# Allegro board DuoModule 01 Evaluation Board V1.1.brd
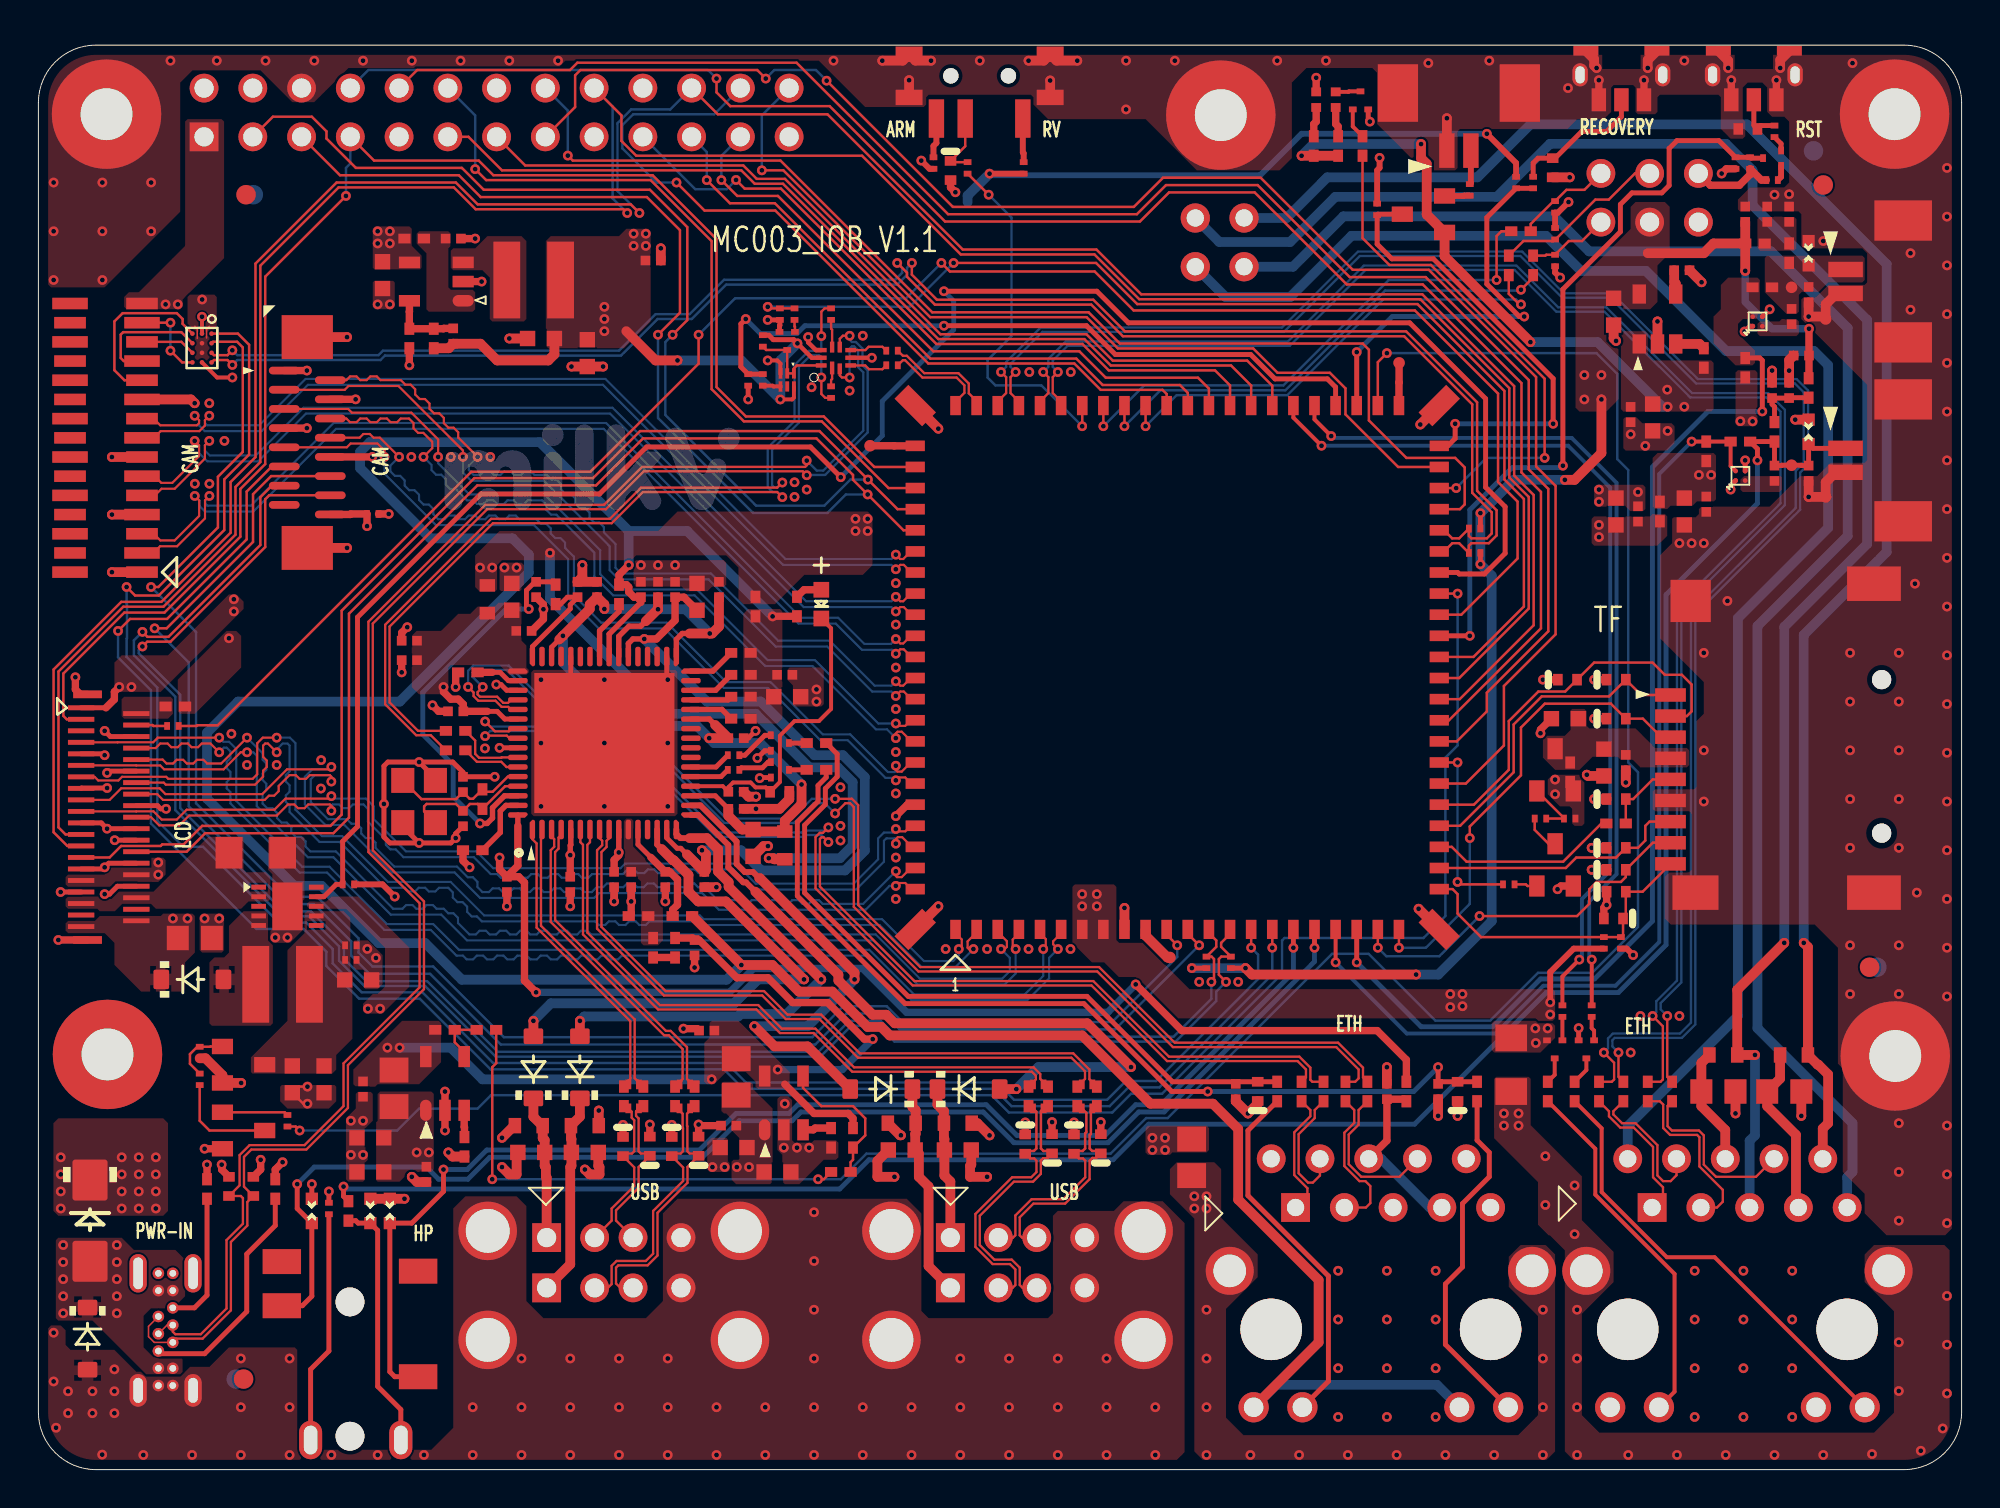
[diagram p0: board, top side]
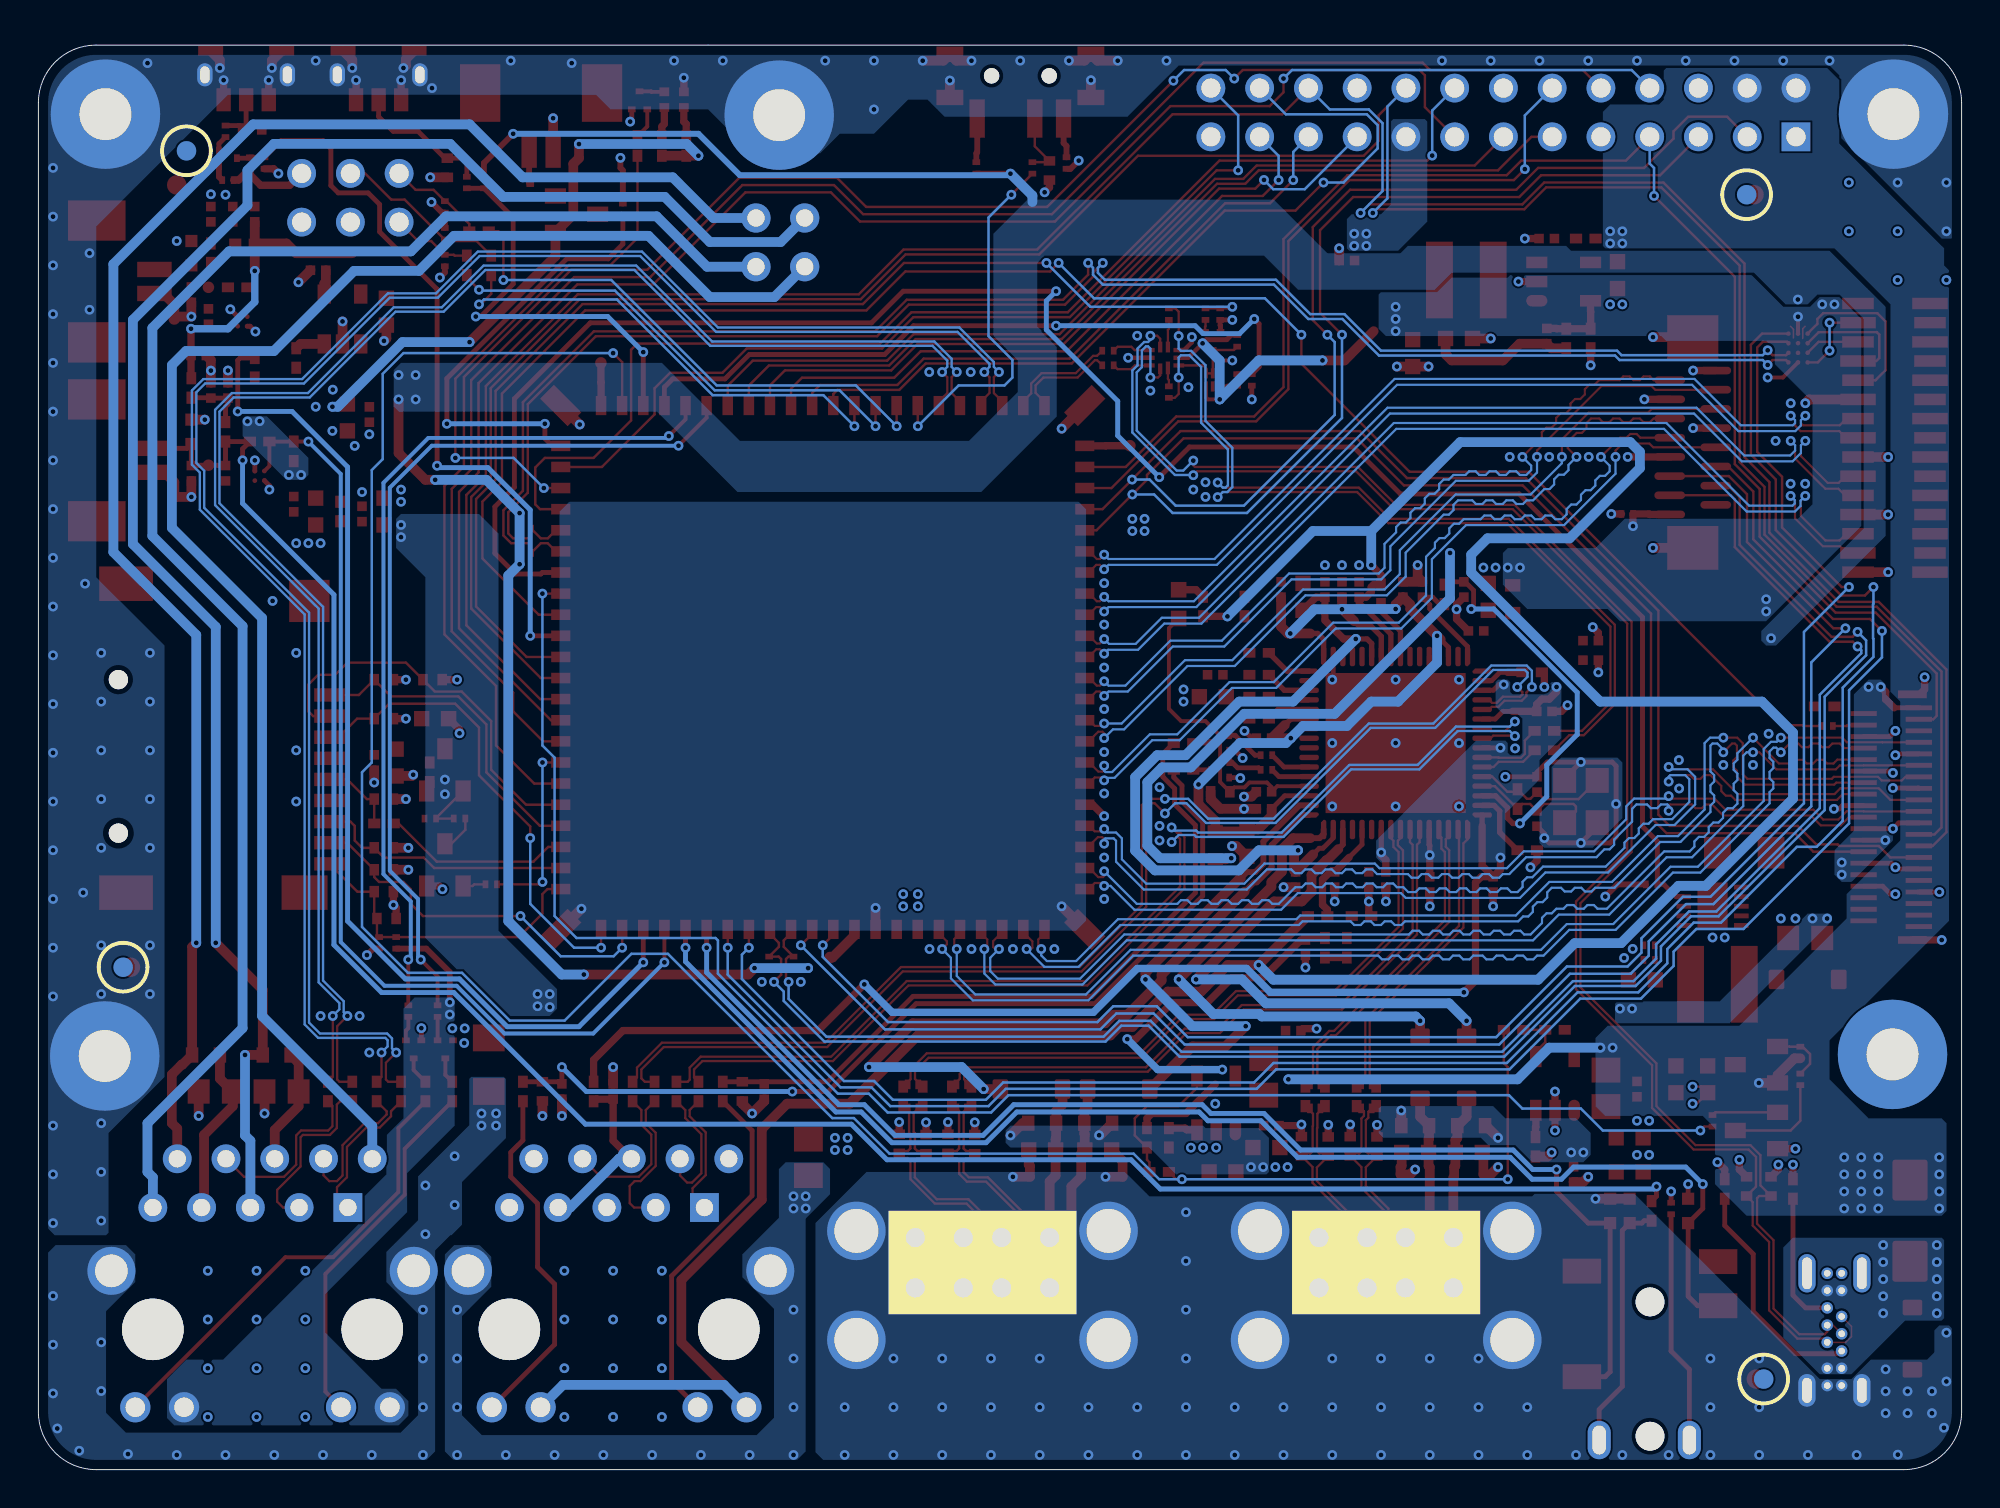
[diagram p1: board, bottom side, seen from below]

Outline 100.19 x 74.24 mm; copper layers: TOP, GND2, GND3, BOTTOM. Coordinates in mm from the lower left corner of the outline.
Outline path: 0,71.24 arc(0.88,73.36) 3,74.24 97.19,74.24 arc(99.32,73.36) 100.19,71.24 100.19,3 arc(99.32,0.88) 97.19,0 3,0 arc(0.88,0.88) 0,3 0,71.24

## Design rules (mm)
net group DIFFPAIR14: nets I2C3_SENSOR0_SCL I2C3_SENSOR0_SDA
net group DIFFPAIR17: nets I2C_SENSOR1_SCL I2C_SENSOR1_SDA
net group DIFFPAIR23: nets N18580772 N18580790
net group DIFFPAIR24: nets N18580640 N18580688
net group DIFFPAIR25: nets N18346099 N18346185
net group MIPI0_D0: nets MIPI0_DN0 MIPI0_DP0
net group MIPI0_D1: nets MIPI0_DN1 MIPI0_DP1
net group MIPI0_D2: nets MIPI0_DN2 MIPI0_DP2
net group MIPI0_D3: nets MIPI0_DN3 MIPI0_DP3
net group MIPI0_D4: nets MIPI0_DN4 MIPI0_DP4
net group MIPI0_D5: nets MIPI0_DN5 MIPI0_DP5
net group MIPI_TX_0: nets MIPI_TX_0N MIPI_TX_0P
net group MIPI_TX_1: nets MIPI_TX_1N MIPI_TX_1P
net group MIPI_TX_2: nets MIPI_TX_2N MIPI_TX_2P
net group MIPI_TX_3: nets MIPI_TX_3N MIPI_TX_3P
net group MIPI_TX_4: nets MIPI_TX_4N MIPI_TX_4P
net group SMD: nets SD_SD0_CLK SD_SD0_CMD
net group 12C: nets I2C_SENSOR1_SCL_3V3 I2C_SENSOR1_SDA_3V3 UART0_RX UART0_TX XGPIOB_20/I2C4_SCL XGPIOB_21/I2C4_SDA
net group 20-20: nets VA+ VA- VB+ VB-
net group CLK: nets PWM0_BUCK SENSOR_CLK0 SENSOR_CLK1 SENSOR_CLK1_3V3 XGPIOB_15/SPI3_SCK
net group PHY: nets EPHY_RXN EPHY_RXP EPHY_TXN EPHY_TXP PHY_RXN PHY_RXP PHY_TXN PHY_TXP RXN RXN_18047105 RXP RXP_18047105 TXN TXN_18047105 TXP TXP_18047105
net group RST: nets LCD_RST SENSOR_RSTN0 SENSOR_RSTN1 SENSOR_RSTN_3V3
net group USB2.0: nets N18061020 N18061046 N18346013 N18346061 N18586338 N18586356 N18586378 N18586396 USB_DM USB_DP USB_HOST2_DM USB_HOST2_DP USB_HOST3_DM USB_HOST3_DP USB_HOST4_DM USB_HOST4_DP USB_HOST5_DM USB_HOST5_DP USBDEV_DM USBDEV_DP USBHOST_DM USBHOST_DP

## Placement (name value [footprint] x y rotation side)
C1  100NF 16V  [C0402]  25.93 45.87 270 top
C2  100NF 16V  [C0402]  28.09 45.87 90 top
C3  10uF  [C0603]  39.01 40.28 0 top
C4  100NF 16V  [C0402]  38.88 41.42 0 top
C5  100NF 16V  [C0402]  31.39 45.87 90 top
C6  100NF 16V  [C0402]  35.45 45.87 90 top
C7  100NF 16V  [C0402]  36.34 34.44 0 top
C8  100NF 16V  [C0402]  36.34 38.12 0 top
C9  100NF 16V  [C0402]  34.18 27.2 270 top
C10  10UF 10V  [C0603]  37.23 32.66 270 top
C11  100NF 16V  [C0402]  32.28 45.87 90 top
C12  100NF 16V  [C0402]  29.1 45.87 90 top
C13  10UF 10V  [C0603]  24.66 45.49 90 top
C14  100NF 16V  [C0402]  19.33 42.18 180 top
C15  100NF 16V  [C0402]  29.99 30.75 270 top
C16  100NF 16V  [C0402]  24.41 30.5 270 top
C17  100NF 16V  [C0402]  27.71 30.5 270 top
C18  100NF 16V  [C0402]  25.29 43.71 0 top
C19  100NF 16V  [C0402]  19.33 43.2 180 top
C20  100NF 16V  [C0402]  21.74 39.52 180 top
C21  100NF 16V  [C0402]  30.88 30.75 270 top
C22  1NF  [C0402]  36.34 35.33 0 top
C23  4.7UF 10V  [C0603]  34.31 45.49 90 top
C24  100NF 16V  [C0402]  34.69 30.75 270 top
C25  100NF 16V  [C0402]  33.17 45.87 90 top
C26  10nF  [C0402]  32.66 30.75 270 top
C27  8.2pF  [C0402]  22.12 35.71 90 top
C28  8.2pF  [C0402]  22.12 33.93 270 top
C29  1NF  [C0402]  62.38 19.7 270 top
C34  1NF  [C0402]  72.92 19.7 270 top
C35  220NF  [C0402]  70.25 19.7 90 top
C36  22uF  [C0603]  47.9 16.66 0 top
C37  22uF  [C0603]  25.68 16.53 180 top
C38  22uF  [C0603]  28.47 16.53 0 top
C39  22uF  [C0603]  44.98 16.66 180 top
C40  10uF/6.3V  [C0603]  81.56 36.85 270 top
C41  10uF  [C0603]  79.52 39.14 180 top
C42  100nF  [C0402]  82.7 36.85 270 top
C43  100nF  [C0201]  16.28 27.32 0 top
C44  10uF/10V  [C0603]  16.66 25.52 0 top
C45  4.7uF/10V  [C0603]  13.23 20.34 270 top
C46  100nF  [C0201]  16.28 26.56 0 top
C47  2.2uF  [C0805]  8.15 27.71 0 top
C48  100nF  [C0201]  17.42 49.8 0 top
C49  10uF/6.3V  [C0603]  14.88 20.34 270 top
C50  22uF/10V  [C0603]  17.29 15.51 180 top
C51  22uF/10V  [C0603]  17.29 17.29 180 top
C52  100nF  [C0402]  20.21 15.39 270 top
C53  1uF  [C0402]  16.91 19.83 270 top
C54  1uF  [C0402]  34.82 22.88 180 top
C55  22uF/10V  [C0603]  36.22 16.78 180 top
C56  22uF/10V  [C0603]  38.5 15.51 0 top
C57  100nF  [C0402]  35.96 17.93 180 top
C58  100pF  [C0402]  21.61 59.07 90 top
C59  22uF  [C0603]  26.18 58.95 180 top
C60  100nF  [C0402]  32.03 63.01 0 top
C61  22uF  [C0603]  28.6 58.19 270 top
C62  10uF  [C0603]  17.93 62.25 270 top
C63  100nF  [C0402]  21.61 64.15 0 top
C64  10nF  [C0402]  85.62 62.5 0 top
C65  100nF  [C0402]  82.95 54.99 270 top
C66  10uF  [C0603]  82.06 60.34 270 top
C67  10uF 6.3V  [C0402]  90.32 56.24 90 top
C68  33pF 50V  [C0402]  92.22 51.92 90 top
C69  0.1uF 25V  [C0402]  91.21 56.24 90 top
C70  2.2uF 6.3V  [C0402]  91.84 58.06 180 top
C71  1uF 6.3V  [C0402]  90.45 51.92 90 top
C72  10UF 10V  [C0603]  82.19 49.93 90 top
C73  10UF 10V  [C0603]  85.75 49.93 270 top
C74  0.1uF 16V  [C0402]  83.33 49.8 90 top
C75  0.1uF 16V  [C0402]  86.89 50.31 270 top
C76  10uF 6.3V  [C0402]  90.06 65.42 90 top
C77  33pF 50V  [C0402]  92.22 61.23 90 top
C78  0.1uF 25V  [C0402]  91.21 65.42 90 top
C79  2.2uF 6.3V  [C0402]  88.92 65.42 90 top
C80  1uF 6.3V  [C0402]  91.33 60.09 90 top
C81  103/3KV  [C1206]  76.73 21.1 270 top
C82  10uF(NC)  [C0805]  87.52 19.7 180 top
C83  10uF(NC)  [C0805]  90.95 19.7 180 top
C84  22uF  [C0603]  84.1 54.83 270 top
C85  0.1uF_6.3V  [C0201]  69.74 65.68 270 top
CN14A1  TF_SD_SOCKET  [SD_SM9_1D1_15D75]  92.48 38.12 90 top
D1  BTR04G02  [ESD_0402]  47.52 67.71 90 top
D2  BULE HIGH 0402  [LED_D0402]  67.59 71.39 90 top
D3  1N4148W  [SOD_123]  25.79 20.96 90 top
D4  1N4148W  [SOD_123]  28.21 20.96 90 top
D5  1N4148W  [SOD_123]  48.46 19.83 0 top
D6  1N4148W  [SOD_123]  43.91 19.83 180 top
D7  BTR04G02  [ESD_0402]  53.95 16.97 90 top
D8  BTR04G02  [ESD_0402]  51.41 16.97 90 top
D9  BTR04G02  [ESD_0402]  30.46 16.85 90 top
D10  BTR04G02  [ESD_0402]  33 16.85 90 top
D11  BTR04G02  [ESD_0402]  55.35 16.97 270 top
D12  BTR04G02  [ESD_0402]  52.81 16.97 270 top
D13  BTR04G02  [ESD_0402]  31.85 16.85 270 top
D14  BTR04G02  [ESD_0402]  34.39 16.85 270 top
D15  BTR04G02  [ESD_0402]  82.06 28.72 0 top
D16  1N5819  [SOD_123]  8.02 25.55 0 top
D17  SS54  [DO_214AC]  2.69 12.97 270 top
D18  SMFJ18A  [SOD_123]  2.56 6.83 270 top
D19  BTR04G02  [ESD_0402]  9.93 14.75 270 top
D20  BTR04G02  [ESD_0402]  11.2 14.75 270 top
D21  RED HIGH 0402  [LED_D0402]  66.57 71.39 90 top
D22  BAT54CE  [SOT_23]  72.16 65.42 0 top
DB1  ESD42V9C5P-F  [ESD_0402]  89.05 69.87 180 top
DB2  ESD42V9C5P-F  [ESD_0402]  78.89 67.84 270 top
ED3  BTR04G02  [ESD_0402]  38.63 35.33 0 top
ED4  BTR04G02  [ESD_0402]  63.52 19.7 270 top
ED5  BTR04G02  [ESD_0402]  73.94 19.7 270 top
ED6  BTR04G02  [ESD_0402]  82.19 30.12 180 top
ED7  BTR04G02  [ESD_0402]  82.19 31.26 180 top
ED8  BTR04G02  [ESD_0402]  82.19 32.4 180 top
ED9  BTR04G02  [ESD_0402]  82.19 34.94 180 top
ED10  BTR04G02  [ESD_0402]  82.19 39.14 180 top
ED11  BTR04G02  [ESD_0402]  79.65 41.17 180 top
ED12  BTR04G02  [ESD_0402]  82.19 41.17 180 top
ED13  ESD5451N  [E0402N]  17.29 13.48 90 top
ED14  ESD5451N  [E0402N]  14.25 13.48 90 top
ED15  ESD5451N  [E0402N]  18.31 13.48 90 top
ED16  ESD5451N  [E0402N]  92.22 63.39 90 top
ED17  ESD5451N  [E0402N]  92.22 54.08 90 top
FB1  120R-100MHz  [R0402]  26.95 45.61 270 top
FB2  120R-100MHz  [R0402]  37.36 44.98 270 top
FB3  120R-100MHz  [R0603]  38.88 32.53 90 top
FB4  120R-100MHz  [R0402]  33.17 27.2 90 top
FB5  120R-100MHz  [R0603]  23.39 45.36 270 top
FB8  BCMF122P900H  [RP2_0405]  54.63 19.45 270 top
FB9  BCMF122P900H  [RP2_0405]  52.09 19.45 270 top
FB10  BCMF122P900H  [RP2_0405]  31.01 19.45 270 top
FB11  BCMF122P900H  [RP2_0405]  33.68 19.45 270 top
FB12  100R 1200mA  [FB0402]  84.48 49.93 90 top
H1  HOLE  [HOLE2D7_5D7]  96.74 21.56 0 top
H2  HOLE  [HOLE2D7_5D7]  96.7 70.64 0 top
H3  HOLE  [HOLE2D7_5D7]  3.55 70.64 0 top
H5  HOLE  [HOLE2D7_5D7]  3.6 21.64 0 top
H6  HOLE  [HOLE2D7_5D7]  61.6 70.59 0 top
J1  CON2  [SW_3P_8D0_2D2]  50.53 72.64 180 top
J2  CON4A  [CONF_TH2X2_2D54_STA]  61.54 63.96 90 top
J3  Double-USB-HOST  [CON_USB2D0_TH1X2_LIE]  51.01 9.18 0 top
J4  Double-USB-HOST  [CON_USB2D0_TH1X2_LIE]  29.98 9.18 0 top
J5  PJ-342  [EAR_PJ-342]  16.23 1.74 90 top
J6  STAMP_HOLE_88P  [STAMP_0R55_88]  59.33 41.8 90 top
J7  CON26A  [DPI2X13PIN_2D54]  8.63 72 0 top
J8  FPC_16P_STA  [FPC_16_0D5_STA]  14.01 53.53 270 top
J9  CONN 1x2PIN LIE  [CON_SM1X2_1D25_LIE]  97.15 52.6 90 top
J10  -  [FPC_15PIN_1MM]  3.57 53.77 90 top
J11  CONN 1x2PIN LIE  [CON_SM1X2_1D25_LIE]  97.15 61.92 90 top
J12  TYPEC_14  [TYPEC_TH_14PIN_STA]  6.63 10.23 180 top
J15  CON4A  [HDR_2X3_2R54]  83.94 66.28 180 top
J90  CONN 1x2PIN LIE  [CON_SM1X2_1D25_LIE]  74 71.74 180 top
JP1  RJ45S  [LPJ0011HENL]  75.66 7.31 0 top
JP2  RJ45S  [LPJ0011HENL]  94.23 7.31 0 top
K1  KEY  [KEY_7P_4X5_H2D5MM]  89.37 74.19 180 top
K2  KEY  [KEY_7P_4X5_H2D5MM]  82.47 74.19 180 top
L1  SWPA4030S4R7MT  [L_4018]  12.72 25.29 270 top
L2  RXWHJ4020-3R3MT  [L_4018]  25.8 62 90 top
LED2  LED_GREEN  [LED0603]  40.79 45.1 270 top
M1  -  [MARK]  10.69 4.72 0 top
M2  -  [MARK]  95.4 26.18 0 top
M3  -  [MARK]  92.48 68.73 180 bottom
M4  -  [MARK]  10.31 4.72 180 bottom
M5  -  [MARK]  95.78 26.18 180 bottom
M6  -  [MARK]  11.2 66.44 180 bottom
M7  -  [MARK]  10.81 66.44 0 top
M8  -  [MARK]  92.98 66.95 0 top
Q1  CJ3134K  [SOT_723]  90.79 67.94 90 top
Q2  CJ3134K  [SOT_723]  68.47 70.89 0 top
Q3  CJ3134K  [SOT_723]  39.41 59.29 180 top
Q4  CJ3134K  [SOT_723]  38.16 36.87 270 top
Q5  CJ3134K  [SOT_723]  38.16 38.27 270 top
Q6  WPM3407-3/TR(NC)  [SOT_23]  79.02 36.47 270 top
Q7  S8050  [SOT_23]  79.02 31.52 270 top
Q9  WPM3407-3/TR  [SOT_23]  10.69 21.1 180 top
Q10  S8050  [SOT_23]  10.69 17.67 180 top
Q11  CJ3134K  [SOT_723]  79.4 22.37 180 top
Q12  CJ3134K  [SOT_723]  81.05 22.37 180 top
R1  4.7K  [R0201]  90.32 67.2 180 top
R2  4.7K  [R0201]  89.18 68.09 270 top
R3  100R 5%  [R0201]  90.45 69.74 90 top
R4  3.3K  [R0201]  88.41 68.09 90 top
R5  10K 1%  [R0201]  76.98 67.08 90 top
R6  510R  [R0402]  66.44 68.98 90 top
R7  100R 5%  [R0201]  77.87 67.08 90 top
R8  10K 1%  [R0201]  51.33 67.84 270 top
R9  100R 5%  [R0201]  48.41 67.84 90 top
R10  10K 1%  [R0201]  46.63 68.09 270 top
R11  1K  [R0402]  67.71 68.98 270 top
R12  1K  [R0402]  68.98 68.98 90 top
R13  12K  [R0402]  22.63 32.28 180 top
R14  0R  [R0402]  21.74 37.48 0 top
R15  0R  [R0402]  21.74 38.5 0 top
R16  4.7K  [R0402]  32.03 27.2 90 top
R17  4.7K  [R0402]  31.26 28.85 180 top
R18  2k  [R0402]  39.52 44.98 90 top
R19  12.4K  [R0402]  22.37 41.55 180 top
R20  10K  [R0402]  30.25 45.61 90 top
R21  10K  [R0402]  33.55 28.85 180 top
R22  0R 1%  [R0201]  41.3 56.15 90 top
R23  0R 1%  [R0201]  44.47 57.55 0 top
R24  0R 1%  [R0201]  41.3 60.22 270 top
R25  0R 1%  [R0201]  44.47 58.31 0 top
R26  10K  [R0402]  36.6 39.14 0 top
R27  10K  [R0402]  36.6 40.28 0 top
R28  10K  [R0402]  36.6 41.42 0 top
R29  10K  [R0402]  36.6 42.56 0 top
R30  10K 1%  [R0201]  37.74 58.82 90 top
R31  10K 1%  [R0201]  37.74 56.79 90 top
R32  1K  [R0201]  39.39 60.22 90 top
R33  12K 1%  [R0201]  36.98 56.79 270 top
R34  10K 1%  [R0201]  38.63 60.22 90 top
R36  1M  [R0402]  23.14 34.94 270 top
R40  332R  [R0402]  64.54 19.7 270 top
R41  332R  [R0402]  74.95 19.7 270 top
R42  10R  [R0402]  71.27 19.7 90 top
R43  0R  [R0805]  60.08 16.28 90 top
R44  0R  [R0603]  47.9 18.05 180 top
R45  0R  [R0603]  44.98 18.05 0 top
R46  0R  [R0603]  25.55 17.93 0 top
R47  0R  [R0603]  28.47 17.93 180 top
R48  1K  [R0402]  40.53 37.87 180 top
R49  1K  [R0402]  40.53 36.47 180 top
R50  NC  [R0402]  51.58 19.45 90 top
R51  NC  [R0402]  30.5 19.45 90 top
R52  NC  [R0402]  33.17 19.45 90 top
R53  NC  [R0402]  54.12 19.45 90 top
R54  1K  [R0201]  36.22 37.23 180 top
R55  1K  [R0201]  36.22 36.47 180 top
R56  NC  [R0402]  55.14 19.45 90 top
R57  NC  [R0402]  52.6 19.45 90 top
R58  NC  [R0402]  31.52 19.45 90 top
R59  NC  [R0402]  34.18 19.45 90 top
R60  0R  [R0402]  79.8 36.34 90 top
R61  100K  [R0201]  79.78 33.93 180 top
R62  10K  [R0201]  78.25 33.93 180 top
R63  10K  [R0201]  76.6 30.5 0 top
R64  22R  [R0402]  82.19 33.67 0 top
R65  100K(NC)  [R0201]  81.56 27.45 90 top
R67  100K(NC)  [R0201]  82.44 27.45 270 top
R68  0R  [R0402]  7.13 39.77 180 top
R69  1.1R  [R1206]  11.32 32.15 0 top
R70  0R  [R0201]  7.01 38.75 180 top
R71  100K  [R0201]  16.15 30.5 0 top
R72  100K  [R0201]  8.4 21.74 90 top
R73  10K  [R0201]  8.4 20.34 270 top
R74  10K  [R0201]  12.98 18.18 90 top
R75  NC  [R0805]  18.53 19.87 270 top
R76  10K  [R0402]  21.18 22.92 0 top
R77  0R  [R0402]  23.34 22.92 0 top
R78  3.3K  [R0402]  22.2 16.82 270 top
R79  5.1K 1%  [R0402]  8.78 14.62 270 top
R80  5.1K 1%  [R0402]  12.34 14.62 270 top
R81  NC  [R0805]  36.36 20.47 270 top
R82  10K  [R0402]  42.44 17.29 270 top
R83  100K  [R0402]  19.58 64.15 0 top
R84  150K  [R0402]  20.6 58.95 90 top
R85  0R  [R0402]  41.8 15.51 180 top
R86  3.3K  [R0402]  41.3 17.29 270 top
R87  33K  [R0402]  19.33 58.95 270 top
R88  0R_5%  [R0201]  15.13 13.61 270 top
R89  0R  [R0402]  16.15 13.48 270 top
R90  1.1K  [R0402]  92.22 56.37 90 top
R91  1.1K  [R0402]  90.45 54.08 90 top
R92  0R  [R0402]  88.67 53.58 0 top
R93  2.2K(NC)  [R0402]  86.89 53.07 270 top
R94  1.1K  [R0402]  89.43 63.9 180 top
R95  1.1K  [R0402]  91.21 63.39 90 top
R96  4.7K  [R0201]  60.85 26.44 270 top
R97  4.7K  [R0201]  74.82 49.04 0 top
R98  0R  [R0402]  89.81 61.61 0 top
R99  4.7K  [R0201]  62.12 26.44 270 top
R100  4.7K  [R0201]  74.82 47.77 0 top
R101  2.2K(NC)  [R0402]  88.92 57.42 270 top
R102  0R(NC)  [R0603]  91.46 21.61 180 top
R103  0R(NC)  [R0603]  87.78 21.61 180 top
R104  2.2R  [R0402]  83.84 19.7 90 top
R105  2.2R  [R0402]  85.11 19.7 90 top
R106  2.2R  [R0402]  81.3 19.7 90 top
R107  2.2R  [R0402]  82.57 19.7 90 top
R108  1K  [R0402]  78.63 19.7 90 top
R109  1K  [R0201]  79.4 23.9 90 top
R110  1K  [R0402]  80.03 19.7 90 top
R111  1K  [R0201]  80.92 23.9 90 top
R112  0R  [R0402]  76.6 62.76 270 top
R113  0R  [R0402]  77.87 62.76 270 top
R114  0R  [R0402]  77.24 64.54 180 top
R115  4.7K(NC)  [R0201]  79.02 65.81 270 top
R116  4.7K(NC)  [R0201]  79.02 63.01 270 top
R117  4.7K(NC)  [R0201]  79.02 64.41 90 top
R118  2.2R  [R0402]  68.09 19.7 90 top
R119  2.2R  [R0402]  69.24 19.7 90 top
R120  2.2R  [R0402]  65.81 19.7 90 top
R121  2.2R  [R0402]  66.95 19.7 90 top
R122  1K_1%  [R0201]  74.57 66.69 270 top
R123  10K  [R0402]  86.76 57.93 90 top
TP21  MICP  [TP32]  91.33 52.34 0 top
TP22  MICN  [TP32]  93.11 50.69 180 top
TP23  MICP  [TP32]  91.33 61.61 0 top
TP24  MICN  [TP32]  93.11 59.96 0 top
TP26  tp  [TP32]  58.95 26.69 0 top
TP27  tp  [TP32]  70.89 57.68 0 top
TP28  tp  [TP32]  43.33 53.36 0 top
U1  LAN9514-JZX  [QFN64_0D7_3]  29.49 37.87 0 top
U2  FSUSB30UMX  [RS2228_QFN1_4X1_8]  41.55 57.94 0 top
U3  SGM7SZ08  [XTDFN6_0D35_1D0]  39.01 56.79 180 top
U4  SY7203DBC  [DFN10_0D5_3]  12.98 29.36 270 top
U5  LCD39P_03  [FPC_39_0D3_LIE]  2.23 39.7 180 top
U7  SY6280AAC  [SOT_23_5]  21.18 20.12 90 top
U8  SY6280AAC  [SOT_23_5]  38.84 19.11 90 top
U9  SY8089AAAC  [SOT_23_5]  20.73 61.91 180 top
U11  LMV1012(NC)  [WLCSP4_0D5_0D9]  88.67 51.79 90 top
U12  UM3204  [CSP12_0D4_1D9X1D4]  8.02 59.2 0 top
U13  LMV1012(NC)  [WLCSP4_0D5_0D9]  89.56 59.84 90 top
U14  SGM2036-1.8YN5G/TR  [SOT23_5]  84.35 59.96 270 top
Y1  25MHz  [OSC_SM4_3D2X2D5]  19.83 34.82 270 top

## Library data of the parts
C1 C2 C4-C21 C23-C25 C67 C68 C70 C71 C74-C77 C79 C80 C85 = C
C3 C22 C26-C29 C34-C39 C41-C46 C48 C50-C66 C84 = CAP NP_0
C40 C49 = CAP_NP
C47 C82 C83 = CAP NP
C69 C78 = C: room: AUDIO_POWER
C72 C73 = C: room: AF
C81 = CAP NP_2
CN14A1 = SD_SOCKET_0
D1 D7-D15 D19 D20 ED3-ED5 = DIODE BI_DIR TRIG
D2 D21 = DIODE_LED_1
D3-D6 D16 = DIODE
D17 = DIODE: room: CHG
D18 = DIODE ZENER1
D22 = BAT54C/SOT_0
DB1 DB2 = ESD GUARD_2
ED6-ED12 = DIODE BI-DIR TRIG
ED13-ED17 = TVS
FB1-FB5 = BEAD
FB8-FB11 = R-PACK4_0
FB12 = FB
H1-H3 H5 H6 = HOLE
J1 = CON2_2
J2 J15 = CON4A_0
J3 J4 = CON4_0
J5 = PJ-3537_1
J6 = STAMP_HOLE_0
J7 = CON26A_1
J8 = CONN1X15_1
J9 J11 J90 = CONN1X2_2G
J10 = CON15_0
J12 = TYPEC_14
JP1 JP2 = RJ45_CON8_3
K1 K2 = BUTTON IT-1202_0
L1 L2 = INDUCTORS OF FERRITE
LED2 = LED
M1-M8 = MARK
Q1-Q5 Q11 Q12 = MOSFET_NPN
Q6 Q9 = MOSFET P
Q7 Q10 = NPN
R1-R5 R7-R12 R22-R25 R30-R34 R48 R49 R54 R55 R79 R80 R88-R101 R108-R117 R122 = R
R6 R13-R21 R26-R29 R36 R40-R47 R50-R53 R56-R60 R67 R76-R78 R82-R87 R123 = RESISTOR_0
R61-R65 R68 R70 R72-R74 = RESISTOR_1
R69 R71 R102 R103 = RESISTOR
R75 R81 = RESISTOR_2
R104-R107 R118-R121 = R: room: RJ45
TP21-TP24 TP26-TP28 = TEST
U1 = CON15_3
U2 = RS2228
U3 = SGM7SZ08YXDM6G/TR
U4 = DCDC_SY7203
U5 = LCD39P_0
U7 U8 = SWITCH_SY6280
U9 = DCDC_SY8088
U11 U13 = SGM2578AAD_0
U12 = MP2610_0
U14 = SGM2019
Y1 = CRYSTAL_4P

## Footprints (pads in the part's own frame, mm; a bottom-side part is the same pattern mirrored in y, then rotated)
C0201
  rect 0.3x0.4 smd: 1(-0.3,0) 2(0.3,0)
C0402
  rect 0.5x0.5 smd: 1(-0.4,0) 2(0.4,0)
C0603
  rect 0.8x0.8 smd: 1(-0.7,0) 2(0.7,0)
C0805
  rect 1.143x1.27 smd: 1(-0.889,0) 2(0.889,0)
C1206
  rect 1.397x1.651 smd: 1(-1.397,0) 2(1.397,0)
CON_SM1X2_1D25_LIE
  rect 0.8x1.8 smd: 1(0.625,3) 2(-0.625,3)
  rect 2.1x3 smd: 3(-3.175,0) 4(3.175,0)
CON_USB2D0_TH1X2_LIE
  rect 1.5x1.5 hole 1: 1(-3.5,2.91) 5(-3.5,0.29)
  round 1.5 hole 1: 2(-1,2.91) 3(1,2.91) 4(3.5,2.91) 6(-1,0.29) 7(1,0.29) 8(3.5,0.29)
  round 3.048 hole 2.286: 9(-6.57,3.26) 10(6.57,3.26) 11(-6.57,-2.42) 12(6.57,-2.42)
CONF_TH2X2_2D54_STA
  round 1.524 hole 0.9: 1(-1.27,-1.27) 2(-1.27,1.27) 3(1.27,-1.27) 4(1.27,1.27)
CSP12_0D4_1D9X1D4
  round 0.24 smd: A1(0,0) A2(0.5,0) A3(1,0) B1(0,-0.5) B2(0.5,-0.5) B3(1,-0.5) C1(0,-1) C2(0.5,-1) C3(1,-1) D1(0,-1.5) D2(0.5,-1.5) D3(1,-1.5)
DFN10_0D5_3
  rect 0.254x0.762 smd: 1(-1,-1.501) 2(-0.5,-1.501) 3(0,-1.501) 4(0.5,-1.501) 5(1,-1.501) 6(1,1.501) 7(0.5,1.501) 8(0,1.501) 9(-0.5,1.501) 10(-1,1.501)
  rect 2.489x1.575 smd: 11(0,0)
DO_214AC
  custom 2.134x1.829 smd: 1(2.117,0) 2(-2.117,0)
DPI2X13PIN_2D54
  rect 1.5x1.5 hole 1: 1(0,-2.54)
  round 1.5 hole 1: 2(0,0) 3(2.54,-2.54) 4(2.54,0) 5(5.08,-2.54) 6(5.08,0) 7(7.62,-2.54) 8(7.62,0) 9(10.16,-2.54) 10(10.16,0) 11(12.7,-2.54) 12(12.7,0) 13(15.24,-2.54) 14(15.24,0) 15(17.78,-2.54) 16(17.78,0) 17(20.32,-2.54) 18(20.32,0) 19(22.86,-2.54) 20(22.86,0) 21(25.4,-2.54) 22(25.4,0) 23(27.94,-2.54) 24(27.94,0) 25(30.48,-2.54) 26(30.48,0)
E0402N
  rect 0.635x0.635 smd: 1(-0.635,0) 2(0.635,0)
EAR_PJ-342
  round 1.5 hole 1.5 unplated: (0,0) (7,0)
  oval 2x1.2 hole 1.5x0.7: 2(-0.2,2.05) 5(-0.2,-2.65)
  rect 1.3x2 smd: 3(6.8,3.55) 4(9.1,3.55) 6(3.1,-3.55) 7(8.6,-3.55)
ESD_0402
  rect 0.5x0.6 smd: 1(-0.508,0) 2(0.492,0)
FB0402
  rect 0.635x0.508 smd: 1(-0.508,0) 2(0.508,0)
FPC_15PIN_1MM
  rect 0.6x1.65 smd: 1(7,-1.825) 3(5,-1.825) 5(3,-1.825) 7(1,-1.825) 9(-1,-1.825) 11(-3,-1.825) 13(-5,-1.825) 15(-7,-1.825) 17(6,1.925) 19(4,1.925) 21(2,1.925) 23(0,1.925) 25(-2,1.925) 27(-4,1.925) 29(-6,1.925)
  rect 0.6x1.85 smd: 2(6,-1.825) 4(4,-1.825) 6(2,-1.825) 8(0,-1.825) 10(-2,-1.825) 12(-4,-1.825) 14(-6,-1.825) 16(7,1.925) 18(5,1.925) 20(3,1.925) 22(1,1.925) 24(-1,1.925) 26(-3,1.925) 28(-5,1.925) 30(-7,1.925)
FPC_16_0D5_STA
  oval 0.4x1.6 smd: 1(-3.75,-1.2) 2(-3.25,1.2) 3(-2.75,-1.2) 4(-2.25,1.2) 5(-1.75,-1.2) 6(-1.25,1.2) 7(-0.75,-1.2) 8(-0.25,1.2) 9(0.25,-1.2) 10(0.75,1.2) 11(1.25,-1.2) 12(1.75,1.2) 13(2.25,-1.2) 14(2.75,1.2) 15(3.25,-1.2) 16(3.75,1.2)
  rect 2.286x2.667 smd: 17(-5.493,0) 18(5.493,0)
FPC_39_0D3_LIE
  rect 1.372x0.254 smd: 1(0,0) 2(-2.875,0.3) 3(0,0.6) 4(-2.875,0.9) 5(0,1.2) 6(-2.875,1.5) 7(0,1.8) 8(-2.875,2.1) 9(0,2.4) 10(-2.875,2.7) 11(0,3) 12(-2.875,3.3) 13(0,3.6) 14(-2.875,3.9) 15(0,4.2) 16(-2.875,4.5) 17(0,4.8) 18(-2.875,5.1) 19(0,5.4) 20(-2.875,5.7) 21(0,6) 22(-2.875,6.3) 23(0,6.6) 24(-2.875,6.9) 25(0,7.2) 26(-2.875,7.5) 27(0,7.8) 28(-2.875,8.1) 29(0,8.4) 30(-2.875,8.7) 31(0,9) 32(-2.875,9.3) 33(0,9.6) 34(-2.875,9.9) 35(0,10.2) 36(-2.875,10.5) 37(0,10.8) 38(-2.875,11.1) 39(0,11.4)